# Altium PCB PCB.PcbDoc (part 4 of 5)
Units mm, origin at the board's own origin, x right, y up, seen from the top; angles counter-clockwise.
Board outline 68 x 45 mm, 4 copper layers (Component Side, Ground Layer, Power Layer, Solder Side), stack 0.856 mm thick; 113 components, 124 nets, 534 pads, 247 vias.
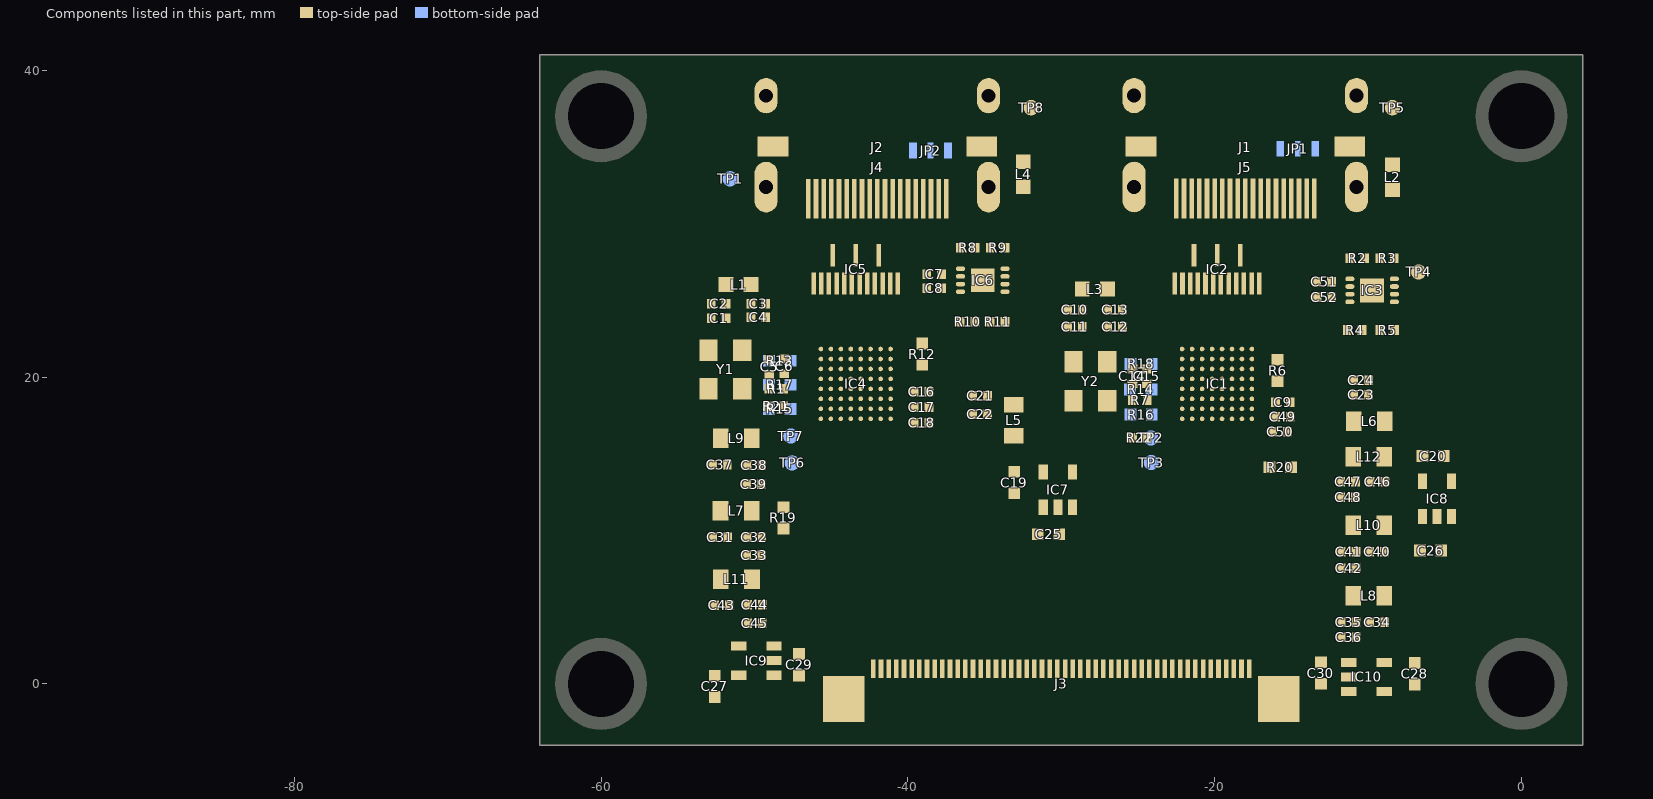
[diagram p6: the components of this part, seen from the top]

## Via types
v1: diameter 0.4, hole 0.15, Component Side to Solder Side, 247 vias

## Nets (pads, with @x,y where several pads share a name; then routed paths per layer and width w, separated by ;. In a path a pad name is that pad's centre, name@x,y a point inside that pad or via, vN(x,y) a via of type N, cw(c..) or ccw(c..) an arc to the next point about the centre after c; other vN are vias at no path point) (continued)
copper on no net: (continued)
  Component Side w0.009: -57.418,8.643 -57.418,8.79 ; -57.418,8.919 -57.418,9.057 ; -57.418,9.35 -57.418,9.497 ; -57.418,9.663 -57.418,9.8 ; -57.418,10.14 -57.418,10.278 ; -57.418,10.764 -57.418,11.361 ; -57.409,4.374 -57.409,4.521 ; -57.409,4.833 -57.409,4.971 ; -57.409,5.099 -57.409,5.246 ; -57.409,5.54 -57.409,5.678 ; -57.409,5.788 -57.409,6.376 ; -57.409,6.513 -57.409,6.651 ; -57.409,6.945 -57.409,7.083 ; -57.409,7.633 -57.409,8.065 ; -57.409,8.194 -57.409,8.331 ; -57.409,8.643 -57.409,8.781 ; -57.409,8.919 -57.409,9.057 ; -57.409,9.35 -57.409,9.497 ; -57.409,9.663 -57.409,9.8 ; -57.409,10.14 -57.409,10.278 ; -57.409,10.764 -57.409,11.361 ; -57.4,4.383 -57.4,4.521 ; -57.4,4.833 -57.4,4.971 ; -57.4,5.099 -57.4,5.246 ; -57.4,5.54 -57.4,5.678 ; -57.4,5.788 -57.4,6.376 ; -57.4,6.513 -57.4,6.651 ; -57.4,6.945 -57.4,7.083 ; -57.4,7.652 -57.4,8.074 ; -57.4,8.194 -57.4,8.331 ; -57.4,8.643 -57.4,8.781 ; -57.4,8.919 -57.4,9.057 ; -57.4,9.35 -57.4,9.497 ; -57.4,9.663 -57.4,9.8 ; -57.4,10.14 -57.4,10.278 ; -57.4,10.764 -57.4,11.361 ; -57.391,4.383 -57.391,4.521 ; -57.391,4.833 -57.391,4.971 ; -57.391,5.099 -57.391,5.246 ; -57.391,5.54 -57.391,5.678 ; -57.391,5.788 -57.391,6.376 ; -57.391,6.513 -57.391,6.651 ; -57.391,6.945 -57.391,7.083 ; -57.391,7.67 -57.391,8.083 ; -57.391,8.194 -57.391,8.331 ; -57.391,8.643 -57.391,8.781 ; -57.391,8.919 -57.391,9.057 ; -57.391,9.35 -57.391,9.497 ; -57.391,9.663 -57.391,9.8 ; -57.391,10.14 -57.391,10.278 ; -57.391,10.764 -57.391,11.361 ; -57.382,4.383 -57.382,4.521 ; -57.382,4.833 -57.382,4.971 ; -57.382,5.099 -57.382,5.246 ; -57.382,5.54 -57.382,5.678 ; -57.382,5.788 -57.382,6.376 ; -57.382,6.513 -57.382,6.651 ; -57.382,6.945 -57.382,7.083 ; -57.382,7.707 -57.382,8.083 ; -57.382,8.194 -57.382,8.331 ; -57.382,8.643 -57.382,8.781 ; -57.382,8.919 -57.382,9.057 ; -57.382,9.35 -57.382,9.497 ; -57.382,9.663 -57.382,9.8 ; -57.382,10.14 -57.382,10.278 ; -57.382,10.764 -57.382,11.361 ; -57.372,4.383 -57.372,4.521 ; -57.372,4.833 -57.372,4.971 ; -57.372,5.099 -57.372,5.246 ; -57.372,5.54 -57.372,5.678 ; -57.372,5.788 -57.372,5.926 ; -57.372,6.513 -57.372,6.651 ; -57.372,6.945 -57.372,7.083 ; -57.372,7.79 -57.372,8.083 ; -57.372,8.194 -57.372,8.331 ; -57.372,8.643 -57.372,8.781 ; -57.372,8.919 -57.372,9.057 ; -57.372,9.35 -57.372,9.497 ; -57.372,9.663 -57.372,9.8 ; -57.372,10.14 -57.372,10.278 ; -57.372,10.764 -57.372,10.902 ; -57.363,4.383 -57.363,4.521 ; -57.363,4.833 -57.363,4.971 ; -57.363,5.099 -57.363,5.246 ; -57.363,5.54 -57.363,5.678 ; -57.363,5.788 -57.363,5.926 ; -57.363,6.513 -57.363,6.651 ; -57.363,6.945 -57.363,7.083 ; -57.363,7.881 -57.363,8.093 ; -57.363,8.194 -57.363,8.331 ; -57.363,8.643 -57.363,8.781 ; -57.363,8.919 -57.363,9.057 ; -57.363,9.35 -57.363,9.497 ; -57.363,9.663 -57.363,9.8 ; -57.363,10.14 -57.363,10.278 ; -57.363,10.774 -57.363,10.902 ; -57.354,4.383 -57.354,4.521 ; -57.354,4.824 -57.354,4.971 ; -57.354,5.099 -57.354,5.246 ; -57.354,5.531 -57.354,5.678 ; -57.354,5.788 -57.354,5.926 ; -57.354,6.513 -57.354,6.651 ; -57.354,6.945 -57.354,7.083 ; -57.354,7.918 -57.354,8.093 ; -57.354,8.194 -57.354,8.331 ; -57.354,8.643 -57.354,8.781 ; -57.354,8.919 -57.354,9.057 ; -57.354,9.35 -57.354,9.497 ; -57.354,9.663 -57.354,9.8 ; -57.354,10.14 -57.354,10.287 ; -57.354,10.774 -57.354,10.902 ; -57.345,4.383 -57.345,4.521 ; -57.345,4.824 -57.345,4.971 ; -57.345,5.099 -57.345,5.246 ; -57.345,5.531 -57.345,5.678 ; -57.345,5.788 -57.345,5.926 ; -57.345,6.513 -57.345,6.651 ; -57.345,6.945 -57.345,7.083 ; -57.345,7.936 -57.345,8.093 ; -57.345,8.194 -57.345,8.34 ; -57.345,8.643 -57.345,8.781 ; -57.345,8.919 -57.345,9.057 ; -57.345,9.35 -57.345,9.497 ; -57.345,9.663 -57.345,9.8 ; -57.345,10.14 -57.345,10.287 ; -57.345,10.774 -57.345,10.902 ; -57.336,4.383 -57.336,4.521 ; -57.336,4.824 -57.336,4.971 ; -57.336,5.099 -57.336,5.246 ; -57.336,5.531 -57.336,5.678 ; -57.336,5.788 -57.336,5.926 ; -57.336,6.513 -57.336,6.651 ; -57.336,6.945 -57.336,7.083 ; -57.336,7.946 -57.336,8.102 ; -57.336,8.194 -57.336,8.34 ; -57.336,8.643 -57.336,8.781 ; -57.336,8.919 -57.336,9.057 ; -57.336,9.35 -57.336,9.497 ; -57.336,9.663 -57.336,9.8 ; -57.336,10.14 -57.336,10.287 ; -57.336,10.774 -57.336,10.911 ; -57.327,4.383 -57.327,4.521 ; -57.327,4.824 -57.327,4.962 ; -57.327,5.099 -57.327,5.246 ; -57.327,5.531 -57.327,5.678 ; -57.327,5.788 -57.327,5.926 ; -57.327,6.513 -57.327,6.651 ; -57.327,6.945 -57.327,7.083 ; -57.327,7.955 -57.327,8.102 ; -57.327,8.194 -57.327,8.34 ; -57.327,8.643 -57.327,8.781 ; -57.327,8.919 -57.327,9.066 ; -57.327,9.35 -57.327,9.497 ; -57.327,9.663 -57.327,9.8 ; -57.327,10.149 -57.327,10.287 ; -57.327,10.774 -57.327,10.911 ; -57.317,4.383 -57.317,4.53 ; -57.317,4.824 -57.317,4.962 ; -57.317,5.099 -57.317,5.255 ; -57.317,5.531 -57.317,5.678 ; -57.317,5.797 -57.317,5.935 ; -57.317,6.513 -57.317,6.651 ; -57.317,6.945 -57.317,7.083 ; -57.317,7.955 -57.317,8.102 ; -57.317,8.203 -57.317,8.34 ; -57.317,8.634 -57.317,8.781 ; -57.317,8.919 -57.317,9.066 ; -57.317,9.35 -57.317,9.497 ; -57.317,9.663 -57.317,9.8 ; -57.317,10.149 -57.317,10.296 ; -57.317,10.774 -57.317,10.911 ; -57.308,4.383 -57.308,4.53 ; -57.308,4.824 -57.308,4.962 ; -57.308,5.099 -57.308,5.255 ; -57.308,5.531 -57.308,5.678 ; -57.308,5.797 -57.308,5.935 ; -57.308,6.513 -57.308,6.651 ; -57.308,6.945 -57.308,7.083 ; -57.308,7.955 -57.308,8.102 ; -57.308,8.203 -57.308,8.34 ; -57.308,8.634 -57.308,8.781 ; -57.308,8.919 -57.308,9.066 ; -57.308,9.35 -57.308,9.497 ; -57.308,9.663 -57.308,9.8 ; -57.308,10.149 -57.308,10.296 ; -57.308,10.774 -57.308,10.911 ; -57.299,4.392 -57.299,4.53 ; -57.299,4.815 -57.299,4.962 ; -57.299,5.099 -57.299,5.255 ; -57.299,5.522 -57.299,5.669 ; -57.299,5.797 -57.299,5.935 ; -57.299,6.513 -57.299,6.651 ; -57.299,6.945 -57.299,7.083 ; -57.299,7.964 -57.299,8.102 ; -57.299,8.203 -57.299,8.35 ; -57.299,8.634 -57.299,8.772 ; -57.299,8.919 -57.299,9.066 ; -57.299,9.341 -57.299,9.497 ; -57.299,9.663 -57.299,9.8 ; -57.299,10.149 -57.299,10.296 ; -57.299,10.783 -57.299,10.921 ; -57.29,4.392 -57.29,4.539 ; -57.29,4.815 -57.29,4.962 ; -57.29,5.099 -57.29,5.255 ; -57.29,5.522 -57.29,5.669 ; -57.29,5.797 -57.29,5.944 ; -57.29,6.513 -57.29,6.651 ; -57.29,6.945 -57.29,7.083 ; -57.29,7.964 -57.29,8.102 ; -57.29,8.203 -57.29,8.35 ; -57.29,8.625 -57.29,8.772 ; -57.29,8.919 -57.29,9.075 ; -57.29,9.341 -57.29,9.497 ; -57.29,9.663 -57.29,9.8 ; -57.29,10.158 -57.29,10.305 ; -57.29,10.783 -57.29,10.921 ; -57.281,4.392 -57.281,4.539 ; -57.281,4.805 -57.281,4.962 ; -57.281,5.099 -57.281,5.265 ; -57.281,5.522 -57.281,5.669 ; -57.281,5.806 -57.281,5.944 ; -57.281,6.513 -57.281,6.651 ; -57.281,6.945 -57.281,7.083 ; -57.281,7.578 -57.281,7.597 ; -57.281,7.964 -57.281,8.102 ; -57.281,8.203 -57.281,8.359 ; -57.281,8.625 -57.281,8.772 ; -57.281,8.919 -57.281,9.075 ; -57.281,9.332 -57.281,9.497 ; -57.281,9.663 -57.281,9.8 ; -57.281,10.158 -57.281,10.305 ; -57.281,10.783 -57.281,10.93 ; -57.271,4.392 -57.271,4.548 ; -57.271,4.805 -57.271,4.952 ; -57.271,5.099 -57.271,5.265 ; -57.271,5.512 -57.271,5.669 ; -57.271,5.806 -57.271,5.953 ; -57.271,6.513 -57.271,6.651 ; -57.271,6.945 -57.271,7.083 ; -57.271,7.569 -57.271,7.606 ; -57.271,7.964 -57.271,8.102 ; -57.271,8.212 -57.271,8.359 ; -57.271,8.616 -57.271,8.772 ; -57.271,8.919 -57.271,9.084 ; -57.271,9.332 -57.271,9.497 ; -57.271,9.663 -57.271,9.8 ; -57.271,10.158 -57.271,10.315 ; -57.271,10.608 -57.271,10.627 ; -57.271,10.783 -57.271,10.93 ; -57.262,4.392 -57.262,4.548 ; -57.262,4.796 -57.262,4.952 ; -57.262,5.099 -57.262,5.274 ; -57.262,5.512 -57.262,5.669 ; -57.262,5.806 -57.262,5.953 ; -57.262,6.513 -57.262,6.651 ; -57.262,6.945 -57.262,7.083 ; -57.262,7.56 -57.262,7.615 ; -57.262,7.955 -57.262,8.102 ; -57.262,8.212 -57.262,8.368 ; -57.262,8.616 -57.262,8.772 ; -57.262,8.928 -57.262,9.084 ; -57.262,9.323 -57.262,9.497 ; -57.262,9.663 -57.262,9.8 ; -57.262,10.158 -57.262,10.324 ; -57.262,10.599 -57.262,10.636 ; -57.262,10.792 -57.262,10.939 ; -57.253,4.401 -57.253,4.558 ; -57.253,4.787 -57.253,4.952 ; -57.253,5.099 -57.253,5.283 ; -57.253,5.503 -57.253,5.669 ; -57.253,5.815 -57.253,5.962 ; -57.253,6.247 -57.253,6.275 ; -57.253,6.513 -57.253,6.651 ; -57.253,6.945 -57.253,7.083 ; -57.253,7.551 -57.253,7.624 ; -57.253,7.955 -57.253,8.102 ; -57.253,8.212 -57.253,8.377 ; -57.253,8.607 -57.253,8.763 ; -57.253,8.928 -57.253,9.093 ; -57.253,9.314 -57.253,9.497 ; -57.253,9.663 -57.253,9.8 ; -57.253,10.168 -57.253,10.333 ; -57.253,10.59 -57.253,10.645 ; -57.253,10.792 -57.253,10.939 ; -57.253,11.233 -57.253,11.251 ; -57.244,4.401 -57.244,4.567 ; -57.244,4.778 -57.244,4.943 ; -57.244,5.099 -57.244,5.283 ; -57.244,5.494 -57.244,5.669 ; -57.244,5.815 -57.244,5.972 ; -57.244,6.238 -57.244,6.284 ; -57.244,6.513 -57.244,6.651 ; -57.244,6.945 -57.244,7.083 ; -57.244,7.542 -57.244,7.643 ; -57.244,7.946 -57.244,8.102 ; -57.244,8.221 -57.244,8.386 ; -57.244,8.598 -57.244,8.763 ; -57.244,8.928 -57.244,9.103 ; -57.244,9.314 -57.244,9.497 ; -57.244,9.663 -57.244,9.8 ; -57.244,10.168 -57.244,10.342 ; -57.244,10.581 -57.244,10.654 ; -57.244,10.792 -57.244,10.948 ; -57.244,11.214 -57.244,11.26 ; -57.235,4.401 -57.235,4.576 ; -57.235,4.769 -57.235,4.943 ; -57.235,5.099 -57.235,5.292 ; -57.235,5.485 -57.235,5.659 ; -57.235,5.815 -57.235,5.981 ; -57.235,6.229 -57.235,6.293 ; -57.235,6.513 -57.235,6.651 ; -57.235,6.945 -57.235,7.083 ; -57.235,7.532 -57.235,7.652 ; -57.235,7.936 -57.235,8.093 ; -57.235,8.221 -57.235,8.396 ; -57.235,8.588 -57.235,8.763 ; -57.235,8.928 -57.235,9.112 ; -57.235,9.305 -57.235,9.497 ; -57.235,9.663 -57.235,9.8 ; -57.235,10.177 -57.235,10.351 ; -57.235,10.572 -57.235,10.663 ; -57.235,10.801 -57.235,10.957 ; -57.235,11.205 -57.235,11.269 ; -57.226,4.411 -57.226,4.594 ; -57.226,4.76 -57.226,4.943 ; -57.226,5.099 -57.226,5.301 ; -57.226,5.476 -57.226,5.659 ; -57.226,5.825 -57.226,5.99 ; -57.226,6.21 -57.226,6.302 ; -57.226,6.513 -57.226,6.651 ; -57.226,6.945 -57.226,7.083 ; -57.226,7.523 -57.226,7.67 ; -57.226,7.927 -57.226,8.093 ; -57.226,8.221 -57.226,8.405 ; -57.226,8.57 -57.226,8.754 ; -57.226,8.937 -57.226,9.121 ; -57.226,9.286 -57.226,9.497 ; -57.226,9.663 -57.226,9.8 ; -57.226,10.177 -57.226,10.37 ; -57.226,10.553 -57.226,10.673 ; -57.226,10.801 -57.226,10.976 ; -57.226,11.187 -57.226,11.288 ; -57.216,4.411 -57.216,4.603 ; -57.216,4.741 -57.216,4.934 ; -57.216,5.099 -57.216,5.32 ; -57.216,5.457 -57.216,5.659 ; -57.216,5.825 -57.216,6.008 ; -57.216,6.192 -57.216,6.311 ; -57.216,6.513 -57.216,6.651 ; -57.216,6.945 -57.216,7.083 ; -57.216,7.514 -57.216,7.689 ; -57.216,7.918 -57.216,8.093 ; -57.216,8.23 -57.216,8.423 ; -57.216,8.552 -57.216,8.754 ; -57.216,8.937 -57.216,9.139 ; -57.216,9.268 -57.216,9.497 ; -57.216,9.663 -57.216,9.8 ; -57.216,10.186 -57.216,10.388 ; -57.216,10.535 -57.216,10.682 ; -57.216,10.81 -57.216,10.985 ; -57.216,11.178 -57.216,11.297 ; -57.207,4.42 -57.207,4.631 ; -57.207,4.714 -57.207,4.934 ; -57.207,5.099 -57.207,5.347 ; -57.207,5.43 -57.207,5.659 ; -57.207,5.834 -57.207,6.027 ; -57.207,6.174 -57.207,6.33 ; -57.207,6.513 -57.207,6.651 ; -57.207,6.945 -57.207,7.083 ; -57.207,7.505 -57.207,7.725 ; -57.207,7.891 -57.207,8.083 ; -57.207,8.23 -57.207,8.451 ; -57.207,8.533 -57.207,8.744 ; -57.207,8.937 -57.207,9.167 ; -57.207,9.24 -57.207,9.497 ; -57.207,9.663 -57.207,9.8 ; -57.207,10.186 -57.207,10.416 ; -57.207,10.507 -57.207,10.691 ; -57.207,10.81 -57.207,11.003 ; -57.207,11.15 -57.207,11.306 ; -57.198,4.42 -57.198,4.925 ; -57.198,5.099 -57.198,5.65 ; -57.198,5.834 -57.198,6.054 ; -57.198,6.137 -57.198,6.339 ; -57.198,6.513 -57.198,6.651 ; -57.198,6.945 -57.198,7.083 ; -57.198,7.496 -57.198,7.762 ; -57.198,7.863 -57.198,8.083 ; -57.198,8.239 -57.198,8.744 ; -57.198,8.946 -57.198,9.497 ; -57.198,9.663 -57.198,9.8 ; -57.198,10.195 -57.198,10.7 ; -57.198,10.82 -57.198,11.04 ; -57.198,11.123 -57.198,11.315 ; -57.189,4.429 -57.189,4.916 ; -57.189,5.099 -57.189,5.65 ; -57.189,5.843 -57.189,6.348 ; -57.189,6.513 -57.189,6.651 ; -57.189,6.945 -57.189,7.083 ; -57.189,7.487 -57.189,8.083 ; -57.189,8.249 -57.189,8.735 ; -57.189,8.946 -57.189,9.497 ; -57.189,9.663 -57.189,9.8 ; -57.189,10.204 -57.189,10.719 ; -57.189,10.82 -57.189,11.325 ; -57.18,4.438 -57.18,4.916 ; -57.18,5.099 -57.18,5.641 ; -57.18,5.852 -57.18,6.357 ; -57.18,6.513 -57.18,6.651 ; -57.18,6.945 -57.18,7.083 ; -57.18,7.505 -57.18,8.074 ; -57.18,8.249 -57.18,8.726 ; -57.18,8.956 -57.18,9.497 ; -57.18,9.663 -57.18,9.8 ; -57.18,10.214 -57.18,10.709 ; -57.18,10.829 -57.18,11.343 ; -57.17,4.447 -57.17,4.906 ; -57.17,5.099 -57.17,5.632 ; -57.17,5.852 -57.17,6.357 ; -57.17,6.513 -57.17,6.651 ; -57.17,6.945 -57.17,7.083 ; -57.17,7.514 -57.17,8.065 ; -57.17,8.258 -57.17,8.717 ; -57.17,8.956 -57.17,9.497 ; -57.17,9.663 -57.17,9.8 ; -57.17,10.214 -57.17,10.7 ; -57.17,10.838 -57.17,11.334 ; -57.161,4.447 -57.161,4.897 ; -57.161,5.099 -57.161,5.632 ; -57.161,5.861 -57.161,6.348 ; -57.161,6.513 -57.161,6.651 ; -57.161,6.945 -57.161,7.083 ; -57.161,7.523 -57.161,8.056 ; -57.161,8.267 -57.161,8.717 ; -57.161,8.965 -57.161,9.497 ; -57.161,9.663 -57.161,9.8 ; -57.161,10.223 -57.161,10.691 ; -57.161,10.847 -57.161,11.325 ; -57.152,4.457 -57.152,4.888 ; -57.152,5.099 -57.152,5.623 ; -57.152,5.871 -57.152,6.339 ; -57.152,6.513 -57.152,6.651 ; -57.152,6.945 -57.152,7.083 ; -57.152,7.532 -57.152,8.056 ; -57.152,8.276 -57.152,8.708 ; -57.152,8.974 -57.152,9.497 ; -57.152,9.663 -57.152,9.8 ; -57.152,10.232 -57.152,10.682 ; -57.152,10.856 -57.152,11.315 ; -57.143,4.466 -57.143,4.879 ; -57.143,5.099 -57.143,5.246 ; -57.143,5.255 -57.143,5.613 ; -57.143,5.88 -57.143,6.32 ; -57.143,6.513 -57.143,6.651 ; -57.143,6.945 -57.143,7.083 ; -57.143,7.551 -57.143,8.047 ; -57.143,8.285 -57.143,8.699 ; -57.143,8.983 -57.143,9.341 ; -57.143,9.35 -57.143,9.497 ; -57.143,9.663 -57.143,9.8 ; -57.143,10.241 -57.143,10.673 ; -57.143,10.865 -57.143,11.306 ; -57.134,4.475 -57.134,4.87 ; -57.134,5.099 -57.134,5.246 ; -57.134,5.265 -57.134,5.604 ; -57.134,5.889 -57.134,6.311 ; -57.134,6.513 -57.134,6.651 ; -57.134,6.945 -57.134,7.083 ; -57.134,7.56 -57.134,8.028 ; -57.134,8.295 -57.134,8.689 ; -57.134,8.992 -57.134,9.332 ; -57.134,9.35 -57.134,9.497 ; -57.134,9.663 -57.134,9.8 ; -57.134,10.25 -57.134,10.663 ; -57.134,10.865 -57.134,11.297 ; -57.125,4.484 -57.125,4.861 ; -57.125,5.099 -57.125,5.246 ; -57.125,5.274 -57.125,5.595 ; -57.125,5.898 -57.125,6.302 ; -57.125,6.513 -57.125,6.651 ; -57.125,6.945 -57.125,7.083 ; -57.125,7.578 -57.125,8.019 ; -57.125,8.304 -57.125,8.68 ; -57.125,9.002 -57.125,9.323 ; -57.125,9.35 -57.125,9.497 ; -57.125,9.663 -57.125,9.8 ; -57.125,10.269 -57.125,10.654 ; -57.125,10.884 -57.125,11.288 ; -57.115,4.502 -57.115,4.851 ; -57.115,5.099 -57.115,5.246 ; -57.115,5.283 -57.115,5.586 ; -57.115,5.916 -57.115,6.284 ; -57.115,6.513 -57.115,6.651 ; -57.115,6.945 -57.115,7.083 ; -57.115,7.597 -57.115,8.01 ; -57.115,8.313 -57.115,8.662 ; -57.115,9.011 -57.115,9.314 ; -57.115,9.35 -57.115,9.497 ; -57.115,9.663 -57.115,9.8 ; -57.115,10.278 -57.115,10.636 ; -57.115,10.893 -57.115,11.269 ; -57.106,4.512 -57.106,4.833 ; -57.106,5.099 -57.106,5.246 ; -57.106,5.301 -57.106,5.577 ; -57.106,5.926 -57.106,6.275 ; -57.106,6.513 -57.106,6.651 ; -57.106,6.945 -57.106,7.083 ; -57.106,7.615 -57.106,7.992 ; -57.106,8.331 -57.106,8.653 ; -57.106,9.02 -57.106,9.305 ; -57.106,9.35 -57.106,9.497 ; -57.106,9.663 -57.106,9.8 ; -57.106,10.296 -57.106,10.618 ; -57.106,10.911 -57.106,11.251 ; -57.097,4.53 -57.097,4.815 ; -57.097,5.099 -57.097,5.246 ; -57.097,5.32 -57.097,5.558 ; -57.097,5.944 -57.097,6.256 ; -57.097,6.513 -57.097,6.651 ; -57.097,6.945 -57.097,7.083 ; -57.097,7.633 -57.097,7.973 ; -57.097,8.34 -57.097,8.634 ; -57.097,9.038 -57.097,9.286 ; -57.097,9.35 -57.097,9.497 ; -57.097,9.663 -57.097,9.8 ; -57.097,10.315 -57.097,10.608 ; -57.097,10.93 -57.097,11.233 ; -57.088,4.548 -57.088,4.796 ; -57.088,5.099 -57.088,5.246 ; -57.088,5.329 -57.088,5.549 ; -57.088,5.972 -57.088,6.238 ; -57.088,6.513 -57.088,6.651 ; -57.088,6.945 -57.088,7.083 ; -57.088,7.661 -57.088,7.955 ; -57.088,8.368 -57.088,8.616 ; -57.088,9.057 -57.088,9.268 ; -57.088,9.35 -57.088,9.497 ; -57.088,9.663 -57.088,9.8 ; -57.088,10.333 -57.088,10.581 ; -57.088,10.948 -57.088,11.214 ; -57.079,4.576 -57.079,4.769 ; -57.079,5.099 -57.079,5.246 ; -57.079,5.356 -57.079,5.522 ; -57.079,5.99 -57.079,6.21 ; -57.079,6.513 -57.079,6.651 ; -57.079,6.945 -57.079,7.083 ; -57.079,7.689 -57.079,7.927 ; -57.079,8.386 -57.079,8.588 ; -57.079,9.075 -57.079,9.249 ; -57.079,9.35 -57.079,9.497 ; -57.079,9.663 -57.079,9.8 ; -57.079,10.36 -57.079,10.562 ; -57.079,10.966 -57.079,11.187 ; -57.069,4.613 -57.069,4.741 ; -57.069,5.099 -57.069,5.246 ; -57.069,5.375 -57.069,5.494 ; -57.069,6.027 -57.069,6.174 ; -57.069,7.725 -57.069,7.881 ; -57.069,8.423 -57.069,8.552 ; -57.069,9.103 -57.069,9.222 ; -57.069,10.388 -57.069,10.526 ; -57.069,11.012 -57.069,11.159 ; -57.06,5.099 -57.06,5.246 ; -57.051,5.099 -57.051,5.246 ; -57.042,5.099 -57.042,5.246 ; -57.033,5.099 -57.033,5.246 ; -57.024,5.099 -57.024,5.246 ; -57.014,5.099 -57.014,5.246 ; -57.005,5.099 -57.005,5.246 ; -56.996,5.099 -56.996,5.246 ; -56.987,5.099 -56.987,5.246 ; -56.978,5.099 -56.978,5.246 ; -56.968,5.099 -56.968,5.246 ; -56.959,5.099 -56.959,5.246 ; -56.95,5.099 -56.95,5.246 ; -56.941,5.099 -56.941,5.246 ; -56.932,5.099 -56.932,5.246 ; -56.932,7.468 -56.932,7.606 ; -56.923,5.099 -56.923,5.246 ; -56.923,7.468 -56.923,7.606 ; -56.913,5.099 -56.913,5.246 ; -56.913,7.468 -56.913,7.606 ; -56.904,5.099 -56.904,5.246 ; -56.904,7.468 -56.904,7.606 ; -56.895,5.099 -56.895,5.246 ; -56.895,7.468 -56.895,7.606 ; -56.886,5.099 -56.886,5.246 ; -56.886,7.468 -56.886,7.606 ; -56.877,5.099 -56.877,5.246 ; -56.877,7.468 -56.877,7.606 ; -56.867,5.099 -56.867,5.246 ; -56.867,7.468 -56.867,7.606 ; -56.858,5.099 -56.858,5.246 ; -56.858,7.468 -56.858,7.606 ; -56.849,5.099 -56.849,5.246 ; -56.849,7.468 -56.849,7.606 ; -56.84,5.099 -56.84,5.246 ; -56.84,7.468 -56.84,7.606 ; -56.831,5.099 -56.831,5.246 ; -56.831,7.468 -56.831,7.606 ; -56.822,5.099 -56.822,5.246 ; -56.822,7.468 -56.822,7.606 ; -56.812,5.099 -56.812,5.246 ; -56.812,7.468 -56.812,7.606 ; -56.803,5.099 -56.803,5.246 ; -56.803,7.468 -56.803,7.606 ; -56.794,5.099 -56.794,5.246 ; -56.794,7.468 -56.794,7.606 ; -56.785,5.099 -56.785,5.246 ; -56.785,7.468 -56.785,7.606 ; -56.776,5.099 -56.776,5.246 ; -56.776,7.468 -56.776,7.606 ; -56.766,5.099 -56.766,5.246 ; -56.766,7.468 -56.766,7.606 ; -56.757,5.099 -56.757,5.246 ; -56.757,7.468 -56.757,7.606 ; -56.748,5.099 -56.748,5.246 ; -56.748,7.468 -56.748,7.606 ; -56.739,5.099 -56.739,5.246 ; -56.739,7.468 -56.739,7.606 ; -56.73,5.099 -56.73,5.246 ; -56.73,7.468 -56.73,7.606 ; -56.721,5.099 -56.721,5.246 ; -56.721,7.468 -56.721,7.606 ; -56.711,5.099 -56.711,5.246 ; -56.711,7.468 -56.711,7.606 ; -56.702,5.099 -56.702,5.246 ; -56.702,7.468 -56.702,7.606 ; -56.693,5.099 -56.693,5.246 ; -56.693,7.468 -56.693,7.606 ; -56.684,5.099 -56.684,5.246 ; -56.684,7.468 -56.684,7.606 ; -56.675,5.099 -56.675,5.246 ; -56.675,7.468 -56.675,7.606 ; -56.665,5.099 -56.665,5.246 ; -56.665,7.468 -56.665,7.606 ; -56.656,5.099 -56.656,5.246 ; -56.656,7.468 -56.656,7.606 ; -56.647,5.099 -56.647,5.246 ; -56.647,5.402 -56.647,5.476 ; -56.647,6.017 -56.647,6.137 ; -56.647,6.835 -56.647,6.908 ; -56.647,7.239 -56.647,7.303 ; -56.647,7.468 -56.647,7.606 ; -56.647,8.965 -56.647,9.084 ; -56.647,9.782 -56.647,9.855 ; -56.647,10.232 -56.647,10.305 ; -56.638,5.099 -56.638,5.246 ; -56.638,5.356 -56.638,5.512 ; -56.638,5.962 -56.638,6.192 ; -56.638,6.532 -56.638,6.679 ; -56.638,6.789 -56.638,6.945 ; -56.638,7.193 -56.638,7.34 ; -56.638,7.468 -56.638,7.606 ; -56.638,7.689 -56.638,7.835 ; -56.638,8.148 -56.638,8.258 ; -56.638,8.561 -56.638,8.708 ; -56.638,8.91 -56.638,9.139 ; -56.638,9.479 -56.638,9.617 ; -56.638,9.736 -56.638,9.883 ; -56.638,10.186 -56.638,10.351 ; -56.629,5.099 -56.629,5.246 ; -56.629,5.329 -56.629,5.531 ; -56.629,5.935 -56.629,6.219 ; -56.629,6.532 -56.629,6.679 ; -56.629,6.761 -56.629,6.963 ; -56.629,7.174 -56.629,7.367 ; -56.629,7.468 -56.629,7.606 ; -56.629,7.698 -56.629,7.845 ; -56.629,8.148 -56.629,8.258 ; -56.629,8.561 